# KiCad board Soldermander_panelized_panelized.kicad_pcb (continued)
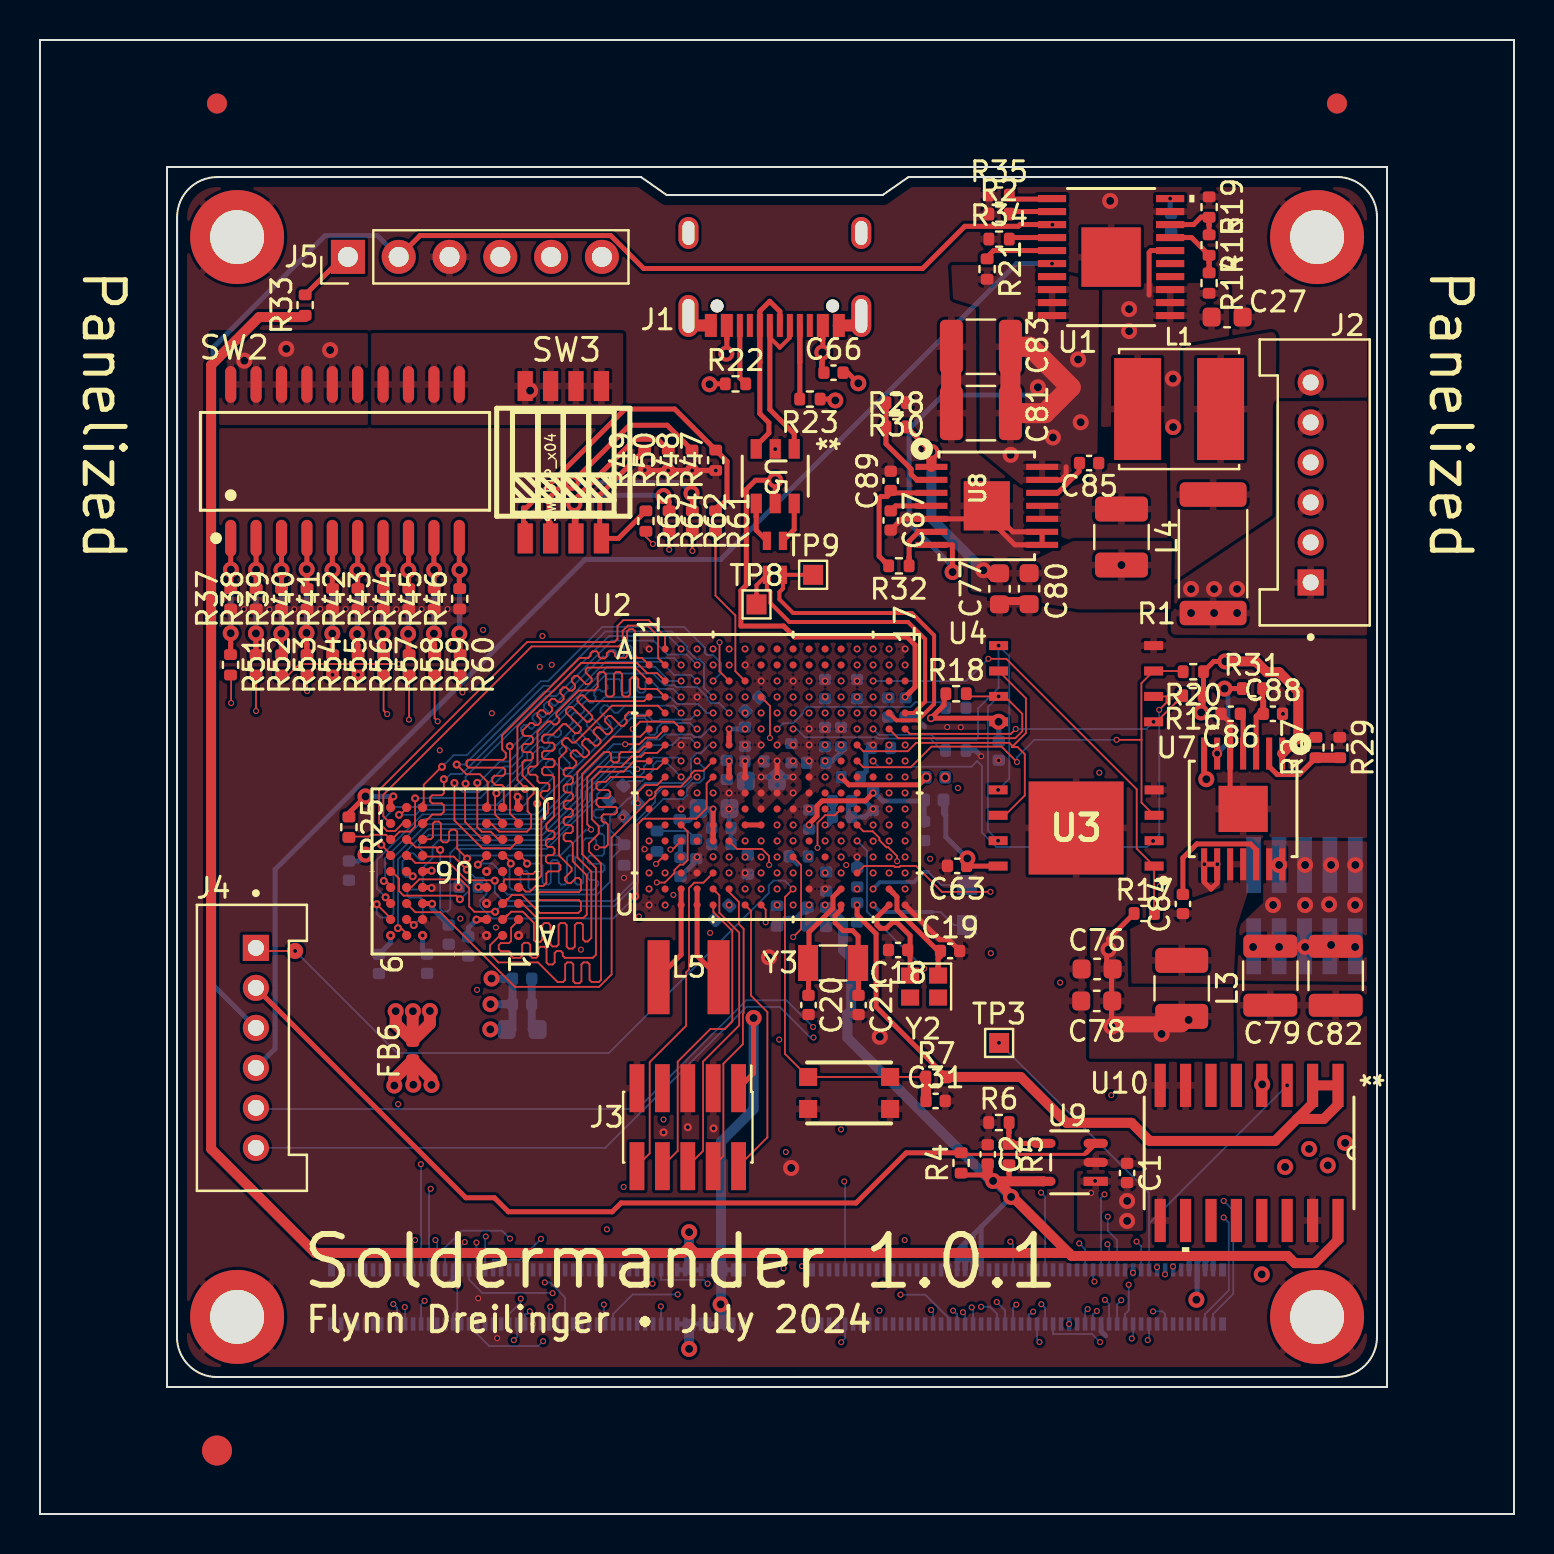
[diagram p0: board, top side]
## Routing (per net, layer and track width the routed paths; a pad name or vN(x,y) marks a point on that pad's centre or on a via; arc(x,y) is an arc through that point) (continued)
PMIC_ON_REQ: length 44.4
  Top w0.09: U2.U9 v1(36.86,30.45) ; TP3.1 47.96,23.56 v5(47.95,23.56)
  In1.Cu w0.09: v1(36.96,23.72) 36.96,25.68 36.98,25.71 ; 36.98,25.71 36.98,23.68 ; 36.98,25.71 36.98,30.33 v1(36.86,30.45)
  In2.Cu w0.09: 47.96,23.56 v5(47.95,23.56) 47.95,23.55 47.72,23.33 37.35,23.33 v1(36.96,23.72)
  Bottom w0.09: v5(47.95,23.56) 55.46,16.06 55.46,14.53 ; 55.46,14.53 v1(62.36,21.43) ; 55.46,14.53 J6.18 ; R8.1 36.86,30.42 v1(36.86,30.45)
PMIC_STBY_REQ: length 39.8
  Top w0.09: U2.T9 v1(36.86,31.25)
  In1.Cu w0.09: v1(56.25,11.98) 56.25,12.83 55.55,13.54 55.55,26.89 56.04,27.38 56.04,31.34 v1(55.99,31.39)
  In2.Cu w0.09: v1(36.86,31.25) 37.26,30.85 38.43,30.85 38.66,31.08 38.68,31.08 39.14,31.54 55.84,31.54 v1(55.99,31.39)
  Bottom w0.09: J6.14 56.25,12.2 v1(56.25,11.98)
POR_B: length 51.2
  Top w0.09: 44.3,20.96 44.3,20.95 C31.1 ; 44.21,21.86 SW1.A SW1.A' 37.25,23.02 37.25,30.85 U2.T10 v1(37.65,31.25) ; v5(12.76,28.16) 10.95,28.16
  Top w0.25: 44.18,20.66 44.18,21.26 44.29,21.26 44.3,21.26 ; 10.95,28.16 J4.1
  Top w0.5: 44.3,20.66 R7.1 44.21,21.86
  Bottom w0.09: 37.65,31.26 v1(37.65,31.25) ; 37.64,31.27 37.24,31.67 36.68,31.67 36.44,31.44 36.44,31.05 28.44,23.06 17.86,23.06 v5(12.76,28.16)
  Bottom w0.25: 37.64,31.27 U2.T10
SEMC_A0: length 19.4
  Top w0.09: 19.37,34.73 19.62,34.98 20.05,34.98 20.19,35.12 20.19,35.43 20.09,35.53 19.61,35.53 19.51,35.64 19.51,35.84 19.61,35.94 20.09,35.94 20.19,36.04 v2(20.19,36.75) ; 19.37,34.73 19.33,34.73 U6.H7 ; 19.37,34.73 19.19,34.54 ; v1(32.06,43.26) U2.A3
  Bottom w0.09: v2(20.19,36.75) 20.28,36.75 20.54,37.01 21.09,37.01 25.22,41.14 25.68,41.14 28.45,43.9 31.42,43.9 v1(32.06,43.26)
SEMC_A1: length 22.8
  Top w0.09: 31.26,43.57 U2.A2 ; 31.26,43.57 31.26,43.26 ; 31.26,43.57 31.26,43.88 30.44,44.7 29.16,44.7 28.87,44.41 28.87,43.76 28.72,43.61 24.36,43.61 16.96,36.2 16.96,34.56 17.36,34.16 17.76,34.16 18.13,34.52 18.32,34.52 U6.H8
SEMC_A2: length 20.7
  Top w0.09: U2.C2 31.06,41.85 31.06,41.85 ; 31.06,41.85 30.86,42.05 30.36,42.05 29.85,42.56 27.05,42.56 23.87,39.38 23.87,36.7 24.25,36.32 v2(24.25,36.26) ; 31.06,41.85 31.26,41.66 ; U6.J8 18.37,35.33 18.39,35.34 18.01,34.96 v2(17.95,34.96)
  Bottom w0.09: v2(24.25,36.26) 24.37,36.14 24.37,35.61 23.98,35.22 19.03,35.22 18.78,34.96 v2(17.95,34.96)
SEMC_A3: length 21.5
  Top w0.09: 19.19,35.61 19.13,35.55 U6.J7 ; 19.19,35.61 19.19,36.47 20.08,37.36 v2(20.1,37.36) ; 19.19,35.61 19.19,35.34 ; v1(33.66,41.66) U2.C5 v1(33.66,41.66)
  Bottom w0.09: v1(33.66,41.66) 34.05,42.05 34.05,42.56 33.66,42.96 33.36,42.96 33.26,43.06 33.26,43.31 32.2,44.36 28.11,44.36 25.4,41.64 25.04,41.64 21.34,37.95 20.68,37.95 v2(20.1,37.36)
SEMC_A4: length 21.2
  Top w0.09: v2(20.84,37.48) 21.32,37 21.99,37 22.38,36.6 22.38,36.52 22.39,36.52 22.39,35.57 ; 22.39,35.57 22.33,35.52 U6.J3 ; 22.39,35.57 22.39,35.34 ; v1(33.66,40.86) U2.D5 v1(33.66,40.86)
  Bottom w0.09: v2(20.84,37.48) 21.23,37.48 25.17,41.41 25.55,41.41 28.27,44.13 31.59,44.13 32.34,43.38 32.34,43.23 32.83,42.74 32.97,42.74 33.2,42.52 33.2,41.31 v1(33.66,40.86)
SEMC_A5: length 21.2
  Top w0.09: 23.28,35.41 23.19,35.5 23.19,36.36 23.1,36.45 22.77,36.45 22.61,36.61 22.61,36.82 22.71,36.92 23.16,36.92 23.26,37.02 23.26,37.22 23.16,37.33 21.43,37.33 21.33,37.43 21.33,37.63 21.41,37.71 23.17,37.71 23.29,37.83 23.29,38.05 23.11,38.23 23.11,38.94 26.98,42.81 27.43,42.81 27.53,42.91 27.53,43.04 27.63,43.14 27.83,43.14 27.93,43.04 27.93,42.89 28.03,42.79 28.24,42.79 28.34,42.89 28.34,43.04 28.44,43.14 28.64,43.14 28.75,43.04 28.75,42.91 28.85,42.81 29.26,42.81 29.36,42.91 29.36,44.14 29.47,44.25 29.65,44.25 29.76,44.13 29.76,42.91 29.87,42.81 30.1,42.81 30.46,42.46 30.45,42.46 U2.B1 ; 23.28,35.41 23.2,35.33 ; 23.28,35.41 23.21,35.41 U6.J2
SEMC_A6: length 21
  Top w0.09: U6.H3 22.34,34.52 22.41,34.52 ; 30.45,41.66 30.43,41.66 29.75,42.33 27.39,42.33 27.29,42.23 27.29,42.08 27.58,41.79 27.58,41.64 27.44,41.5 27.3,41.5 26.88,41.92 26.73,41.92 26.59,41.77 26.59,41.63 26.76,41.46 26.76,41.32 26.61,41.18 26.47,41.18 26.3,41.34 26.16,41.34 26.02,41.2 26.02,41.05 26.18,40.89 26.18,40.75 26.04,40.6 25.89,40.6 25.73,40.77 25.59,40.77 25.44,40.62 25.44,40.48 25.61,40.31 25.61,40.17 25.46,40.03 25.32,40.03 25.15,40.19 25.01,40.19 24.87,40.05 24.87,39.9 25.03,39.74 25.03,39.6 24.89,39.45 24.74,39.45 24.65,39.55 24.5,39.55 24.13,39.17 24.13,39.01 24.23,38.91 24.54,38.91 24.65,38.81 24.65,38.61 24.54,38.51 24.2,38.51 24.1,38.4 24.1,38.2 24.2,38.1 24.54,38.1 24.65,38 24.65,37.79 24.54,37.69 24.23,37.69 24.13,37.59 24.13,36.93 24.68,36.37 24.68,36.03 24.38,35.73 24.38,35.14 24.56,34.96 24.56,34.33 24.35,34.12 22.96,34.12 22.59,34.49 22.44,34.49 22.41,34.52 ; 30.45,41.66 U2.C1 ; 30.45,41.66 30.46,41.66 ; 22.39,34.54 22.41,34.52
SEMC_A7: length 18.5
  Top w0.09: v2(22.82,36.05) 22.76,35.98 22.76,34.97 23.13,34.6 ; 23.13,34.6 U6.H2 ; 23.13,34.6 23.19,34.54 ; v1(32.06,40.86) U2.D3
  Bottom w0.09: v2(22.82,36.05) 22.87,36.1 23.07,36.1 24.59,37.61 24.59,37.95 24.66,38.02 24.98,38.35 25.12,38.35 25.19,38.28 25.34,38.28 25.48,38.42 25.48,38.57 25.41,38.64 25.41,38.78 25.56,38.92 25.7,38.92 25.77,38.85 25.91,38.85 26.06,39 26.06,39.14 25.99,39.21 25.99,39.35 26.13,39.5 26.27,39.5 26.34,39.43 26.49,39.43 26.63,39.57 26.63,39.71 26.56,39.79 26.56,39.93 26.7,40.07 26.85,40.07 26.92,40 27.06,40 27.21,40.15 27.21,40.29 27.14,40.36 27.14,40.5 27.28,40.65 27.42,40.65 27.49,40.58 27.64,40.58 27.78,40.72 27.78,40.86 27.71,40.93 27.71,41.08 27.85,41.22 28,41.22 28.09,41.13 28.23,41.13 28.37,41.28 28.37,41.42 28.29,41.51 28.29,41.65 28.38,41.74 28.95,41.74 29.05,41.64 29.05,41.17 29.15,41.07 29.36,41.07 29.46,41.17 29.46,41.7 29.56,41.8 29.76,41.8 29.87,41.7 29.87,41.17 29.97,41.07 30.17,41.07 30.27,41.17 30.27,41.6 30.37,41.7 30.52,41.7 30.96,41.26 31.65,41.26 v1(32.06,40.86)
SEMC_A8: length 18
  Top w0.09: 23.93,34.6 23.5,35.03 23.5,38.38 v2(23.49,38.39) ; 23.93,34.6 23.99,34.54 ; 23.93,34.6 U6.H1 ; v1(32.06,42.46) U2.B3
  Bottom w0.09: v2(23.49,38.39) 23.64,38.39 24.17,38.91 24.17,39.06 24.05,39.17 24.05,39.31 24.2,39.46 24.34,39.46 24.52,39.27 24.61,39.27 24.81,39.47 24.81,39.56 24.63,39.75 24.63,39.89 24.77,40.03 24.91,40.03 25.1,39.85 25.19,39.85 25.39,40.05 25.39,40.14 25.2,40.32 25.2,40.46 25.35,40.61 25.49,40.61 25.67,40.42 25.76,40.42 25.96,40.62 25.96,40.71 28.12,42.87 28.34,42.87 28.44,42.97 28.44,43.11 28.53,43.21 28.72,43.21 28.82,43.11 28.82,42.94 28.91,42.85 29.1,42.85 29.2,42.94 29.2,43.34 29.29,43.43 29.48,43.43 29.58,43.34 29.58,42.97 29.75,42.8 31.71,42.8 v1(32.06,42.46)
SEMC_A9: length 18.7
  Top w0.09: U6.G3 22.33,33.74 22.36,33.77 22.33,33.8 22.07,33.8 21.25,34.61 21.25,36.49 v2(21.28,36.52) ; v1(32.86,42.46) U2.B4
  Bottom w0.09: v1(32.86,42.46) 32.33,42.98 31.37,42.98 30.68,43.68 28.58,43.68 25.81,40.91 25.32,40.91 21.28,36.87 v2(21.28,36.52)
SEMC_A10: length 21.2
  Top w0.09: 31.08,42.63 31.08,42.63 U2.B2 ; 31.08,42.63 31.26,42.46 ; 31.08,42.63 30.9,42.81 30.9,43.91 30.38,44.43 29.39,44.43 29.14,44.17 29.14,43.59 28.94,43.39 24.59,43.39 17.17,35.97 17.17,34.9 U6.H9
SEMC_A11: length 17.8
  Top w0.09: v2(21.86,36.56) 21.86,34.35 22.09,34.12 22.54,34.12 22.88,33.78 23.08,33.78 ; 23.08,33.78 U6.G2 ; 23.08,33.78 23.15,33.78 ; v1(32.86,41.66) U2.C4
  Bottom w0.09: v1(32.86,41.66) 32.56,41.96 31.71,41.96 31.05,42.62 28.28,42.62 23.87,38.21 23.87,38.04 23.46,37.63 22.99,37.63 21.92,36.56 v2(21.86,36.56)
SEMC_A12: length 20.5
  Top w0.09: U6.G1 23.93,33.69 23.5,33.26 23.46,33.29 22.11,33.29 20.72,34.68 v2(20.72,36.56) ; v1(32.06,41.66) U2.C3
  Bottom w0.09: v1(32.06,41.66) 31.47,41.66 30.76,42.37 28.35,42.37 24.13,38.14 24.13,37.91 23.59,37.38 23.23,37.38 21.96,36.11 21.14,36.11 20.72,36.52 v2(20.72,36.56)
SEMC_BA0: length 19.6
  Top w0.09: v1(27.55,34.23) 27.55,34.3 27.36,34.49 27.36,36.84 27.88,37.36 29.06,37.36 29.57,37.87 30.06,37.87 30.25,38.06 30.86,38.06 U2.G2 ; v2(21.36,32.78) 20.86,33.27 20.86,34.12 20.76,34.22 20.56,34.22 20.45,34.12 20.45,33.69 20.35,33.59 20.15,33.59 20.05,33.69 20.05,34.53 19.95,34.63 19.74,34.63 19.64,34.53 19.64,33.85 19.54,33.74 19.14,33.74 U6.G7
  Bottom w0.09: v1(27.55,34.23) 27.52,34.2 27.28,34.2 26.02,32.93 21.51,32.93 v2(21.36,32.78)
SEMC_BA1: length 21.5
  Top w0.09: 18.59,33.54 18.52,33.54 U6.G8 ; 18.59,33.54 18.79,33.34 19.81,33.34 19.93,33.21 v2(20.01,33.21) ; 18.59,33.54 18.39,33.74 ; v1(29.87,37.25) 30.85,37.25 U2.H2
  Bottom w0.09: v2(20.01,33.21) 20.01,30.27 20.01,30.26 20.14,30.13 20.37,30.13 20.52,30.27 20.52,33.06 20.9,33.44 25.26,33.44 27.5,35.68 27.5,36.03 28.83,37.36 29.76,37.36 v1(29.87,37.25)
SEMC_CAS: length 23
  Top w0.09: U6.F7 19.19,32.88 20.69,32.88 v2(21.34,32.22) ; U2.J5 33.65,36.86 U2.J5 ; U2.J5 33.49,36.69 ; U2.J5 33.49,36.69 ; 33.49,36.69 33.33,36.53 33.33,35.29 32.81,34.77 30.16,34.77 29.88,34.49 29.88,31 v2(29.76,30.88)
  Bottom w0.09: v2(21.34,32.22) 21.75,31.81 22.16,31.81 22.32,31.65 22.32,31 21.99,30.67 21.99,30.4 22.61,29.78 28.67,29.78 29.76,30.87 v2(29.76,30.88)
SEMC_CKE: length 22.5
  Top w0.09: v2(21.9,32.47) 21.92,32.47 22.33,32.89 U6.F3
  Bottom w0.09: 28.49,33.47 28.49,34.21 ; 28.49,33.47 28.49,32.71 ; 28.49,33.47 R24.1 ; 28.49,34.21 28.85,33.85 ; 28.49,34.21 28.49,34.86 29.41,35.78 29.48,35.78 30.26,36.56 32.16,36.56 32.56,36.95 32.56,37.76 32.85,38.06 33.06,38.06 33.46,38.46 v1(33.66,38.46) ; R24.1 29.21,33.42 28.49,32.71 ; R24.1 29.21,33.49 28.85,33.85 ; 29.21,33.56 28.91,33.85 28.85,33.85 ; v2(21.9,32.47) 21.89,32.47 21.89,32.34 22.08,32.53 22.62,32.53 22.86,32.29 22.86,32.29 23.18,31.97 23.18,31.17 23.38,30.98 27.86,30.98 28.49,31.61 28.49,32.71
SEMC_CLK: length 3.9
  Bottom w0.09: v1(32.06,36.86) 31.27,37.64 30.84,37.64 30.66,37.46 30.66,37.21 30.11,36.66 29.42,36.66 29.27,36.51 29.25,36.51 R26.1
SEMC_CS0: length 24.6
  Top w0.09: 17.59,33.73 17.61,33.76 ; 17.61,33.76 17.62,33.76 17.98,34.13 18.5,34.13 18.76,34.38 v2(18.76,35.79) ; 17.61,33.76 17.56,33.76 U6.G9 17.3,33.97 16.54,33.97 16.45,33.88 15.48,33.88 ; 15.48,33.88 15.45,33.85 R25.2 ; 15.48,33.88 15.44,33.88
  Bottom w0.09: v1(34.46,40.06) 33.96,40.56 33.55,40.56 33.37,40.74 33.37,40.84 32.86,41.36 31.81,41.36 31.72,41.44 31.23,41.44 30.65,42.03 28.34,42.03 24.36,38.05 24.36,37.74 23.64,37.02 23.24,37.02 22.02,35.81 19.65,35.81 19.64,35.8 18.77,35.8 v2(18.76,35.79)
SEMC_D0: length 22.2
  Top w0.09: 31.96,39.35 31.97,39.35 U2.F3 31.96,39.35 ; 31.96,39.35 31.69,39.62 30,39.62 v1(29.64,39.26) ; 18.39,28.96 18.39,28.94 ; 18.39,28.96 18.36,28.96 U6.A8 ; 18.39,28.96 18.39,28.97 18.06,29.3 v2(17.9,29.3)
  Bottom w0.09: v2(17.9,29.3) 17.9,29.55 17.9,29.56 17.9,32.73 19.43,34.26 25.11,34.26 26.82,35.97 26.82,36.31 28.61,38.1 29.4,38.1 29.64,38.34 v1(29.64,39.26)
SEMC_D1: length 21.9
  Top w0.09: U2.F2 30.82,38.82 30.3,38.82 30.11,38.63 30.1,38.63 29.96,38.49 v1(29.26,38.49) ; v2(16.84,30.49) 17.53,29.8 ; 17.53,29.8 17.59,29.74 ; 17.53,29.8 U6.B9
  Bottom w0.09: v1(29.26,38.49) 28.68,38.49 26.59,36.41 26.59,36.06 25.02,34.49 19.33,34.49 17.67,32.83 17.67,30.01 17.5,29.83 17.01,29.83 16.84,30.01 v2(16.84,30.49)
SEMC_D2: length 21.9
  Top w0.09: 32.85,38.46 U2.G4 32.85,38.46 ; 32.85,38.46 v1(32.85,38.46) ; U6.B8 18.34,29.74 18.39,29.74 18.68,29.45 v2(18.69,29.45)
  Bottom w0.09: v1(32.85,38.46) 32.51,38.8 31.95,38.8 31.6,38.45 30.5,38.45 29.6,37.54 28.7,37.54 27.27,36.12 27.27,35.78 25.19,33.69 19.94,33.69 19.63,33.39 19.63,32.8 19.13,32.31 19.13,31.33 19.03,31.23 18.47,31.23 18.37,31.13 18.37,30.92 18.47,30.82 19.03,30.82 19.13,30.72 19.13,29.9 v2(18.69,29.45)
SEMC_D3: length 22.1
  Top w0.09: 17.53,30.57 17.28,30.82 v2(17.28,30.84) ; 17.53,30.57 17.55,30.54 ; 17.53,30.57 U6.C9
  Bottom w0.09: v2(17.28,30.84) 16.86,31.26 16.86,32.72 19.13,34.99 24.87,34.99 25.24,35.36 25.24,35.81 29.42,39.98 30.32,39.98 30.65,39.66 30.95,39.66 31.03,39.74 32.54,39.74 v1(32.86,40.06)
SEMC_D4: length 25.9
  Top w0.09: U6.C8 18.77,30.09 20.01,30.09 23.75,26.36 27.96,26.36 28.58,26.98 28.58,33.83 30.5,35.74 30.59,35.74 30.77,35.93 30.77,36.11 31.02,36.37 32.04,36.37 32.54,36.88 32.54,36.99 32.73,37.17 33.17,37.17 U2.H5
SEMC_D5: length 21.7
  Top w0.09: v2(17.19,31.66) 17.3,31.66 17.59,31.37 17.59,31.36 ; 17.59,31.36 17.56,31.36 U6.D9 ; 17.59,31.36 17.59,31.34
  Bottom w0.09: v1(32.86,39.26) 32.79,39.26 32.49,39.56 31.11,39.56 30.85,39.3 30.85,39.08 30.73,38.96 30.49,38.96 30.37,39.08 30.37,39.68 30.25,39.8 29.56,39.8 26.36,36.6 26.36,36.16 24.96,34.76 19.22,34.76 17.25,32.79 17.25,31.72 v2(17.19,31.66)
SEMC_D6: length 21.9
  Top w0.09: v2(22.76,30.12) 21.72,30.12 21.46,30.38 21.46,31.29 21.01,31.74 18.96,31.74 18.57,31.35 18.39,31.35 18.39,31.35 ; 18.39,31.34 18.39,31.35 ; 18.39,31.35 18.35,31.35 U6.D8
  Bottom w0.09: v1(32.86,37.66) 33.21,37.31 33.21,36.8 32.97,36.57 32.68,36.57 32.34,36.23 32.34,35.94 32.16,35.76 31.17,35.76 29.89,34.48 29.89,31.57 28.71,30.39 23.03,30.39 v2(22.76,30.12)
SEMC_D7: length 20.9
  Top w0.09: 17.64,32.09 17.57,32.09 U6.E9 ; 17.64,32.09 17.96,31.77 17.96,31.15 18.18,30.92 20.82,30.92 v2(21,30.75) ; 17.64,32.09 17.59,32.14 ; v1(32.05,37.66) U2.H3
  Bottom w0.09: v2(21,30.75) 21.02,30.75 21.44,31.16 21.44,31.57 20.97,32.04 20.97,33.26 25.33,33.26 27.86,35.78 27.86,35.98 29.03,37.16 29.49,37.16 29.73,36.91 30,36.91 30.2,37.11 30.2,37.39 30.64,37.82 31.89,37.82 v1(32.05,37.66)
SEMC_D8: length 21.8
  Top w0.09: U6.E1 23.94,32.14 24.05,32.14 24.18,32.01 24.65,32.01 24.84,32.19 24.84,35.5 v2(24.86,35.52)
  Bottom w0.09: v2(24.86,35.52) 24.92,35.58 24.92,36.09 25.66,36.83 25.66,37 25.29,37.36 25.29,37.54 25.46,37.71 25.63,37.71 26.14,37.2 26.31,37.2 26.48,37.37 26.48,37.54 25.98,38.05 25.98,38.22 26.15,38.39 26.32,38.39 26.82,37.88 26.99,37.88 27.16,38.05 27.16,38.22 26.66,38.73 26.66,38.9 26.83,39.07 27,39.07 27.51,38.56 27.68,38.56 27.85,38.74 27.85,38.91 27.34,39.41 27.34,39.58 27.51,39.75 27.68,39.75 28.19,39.25 28.36,39.25 28.53,39.42 28.53,39.59 28.02,40.09 28.02,40.27 28.19,40.44 28.36,40.44 28.73,40.07 28.9,40.07 29.25,40.42 31.69,40.42 v1(32.06,40.06)
SEMC_D9: length 25
  Top w0.09: U6.D2 23.15,31.35 23.19,31.35 ; 23.19,31.35 23.19,31.35 23.19,31.68 23.25,31.74 24.89,31.74 25.06,31.92 25.06,34.73 25.4,35.06 25.4,35.55 25.03,35.91 25.03,36.06 25.13,36.16 25.37,36.16 25.47,36.26 25.47,36.46 25.37,36.56 24.98,36.56 24.87,36.66 24.87,36.87 24.77,36.97 24.51,36.97 24.41,37.07 24.41,37.27 24.51,37.38 24.77,37.38 24.87,37.48 24.87,39.12 25.39,39.63 25.53,39.63 25.68,39.48 25.82,39.48 25.96,39.63 25.96,39.77 25.82,39.92 25.82,40.06 26.94,41.19 27.71,41.19 27.88,41.36 27.88,42 27.99,42.1 28.19,42.1 28.29,42 28.29,40.98 28.39,40.88 28.59,40.88 28.7,40.98 28.7,42 28.8,42.1 29,42.1 29.1,42 29.1,40.98 29.2,40.88 29.41,40.88 29.51,40.98 29.51,41.74 29.61,41.84 29.81,41.84 29.92,41.74 29.92,41.36 30.02,41.26 30.85,41.26 31.05,41.06 ; 23.19,31.35 23.19,31.34 ; U2.D2 31.05,41.06 31.05,41.06 ; 31.05,41.06 31.26,40.86
SEMC_D10: length 24.7
  Top w0.09: 30.45,40.86 U2.D1 ; 30.45,40.86 30.46,40.86 ; 30.45,40.86 30.4,40.86 30.2,40.65 27.45,40.65 27.16,40.94 27.02,40.94 26.87,40.79 26.87,40.65 27.61,39.91 27.61,39.76 27.47,39.62 27.33,39.62 26.59,40.36 26.44,40.36 26.3,40.22 26.3,40.07 27.04,39.33 27.04,39.19 26.89,39.05 26.75,39.05 26.3,39.5 26.16,39.5 25.83,39.17 25.81,39.15 25.64,38.98 25.2,38.98 25.1,38.87 25.1,38.67 25.2,38.57 25.62,38.57 25.73,38.47 25.73,38.27 25.62,38.16 25.2,38.16 25.1,38.06 25.1,37.86 25.2,37.76 25.62,37.76 25.73,37.66 25.73,37.45 25.62,37.35 25.2,37.35 25.1,37.25 25.1,37.05 25.2,36.94 25.6,36.94 25.7,36.84 25.7,34.89 25.32,34.51 25.32,34.27 25.42,34.17 25.62,34.17 25.73,34.07 25.73,33.86 25.62,33.76 25.4,33.76 25.29,33.66 25.29,33.46 25.4,33.35 25.62,33.35 25.73,33.25 25.73,33.05 25.62,32.95 25.4,32.95 25.29,32.85 25.29,32.64 25.4,32.54 25.92,32.54 26.02,32.44 26.02,32.24 25.92,32.14 25.42,32.14 25.32,32.03 25.32,31.56 25.17,31.41 24.79,31.41 24.51,31.13 24.28,31.13 24.16,31.25 24.16,31.25 24.06,31.34 23.94,31.34 U6.D1
SEMC_D11: length 25.3
  Top w0.09: 31.16,40.15 31.17,40.15 U2.E2 31.16,40.15 ; 31.16,40.15 30.89,40.42 28.59,40.42 26.75,38.58 26.61,38.58 26.39,38.8 26.25,38.8 26.1,38.65 26.1,38.51 26.32,38.29 26.32,38.15 25.95,37.78 25.95,32.93 26.58,32.3 26.58,32.16 26.26,31.83 26.26,31.69 26.4,31.55 26.54,31.55 26.8,31.8 26.94,31.8 27.05,31.7 27.05,31.2 26.94,31.1 24.99,31.1 24.89,31 24.89,30.8 24.99,30.7 26.94,30.7 27.05,30.59 27.05,30.19 26.92,30.06 24.99,30.06 24.1,30.95 23.59,30.95 23.39,30.75 ; U6.C2 23.35,30.75 23.39,30.75 ; 23.39,30.75 23.19,30.54
SEMC_D12: length 24.8
  Top w0.09: 30.45,40.06 30.41,40.06 30.27,39.92 29.81,39.92 29.64,40.09 29.43,40.09 29.26,39.92 29.26,39.77 29.33,39.7 29.33,39.56 29.19,39.41 29.04,39.41 28.55,39.91 28.4,39.91 28.26,39.77 28.26,39.62 28.6,39.29 28.6,39.14 28.45,39 28.31,39 27.97,39.33 27.83,39.33 27.69,39.19 27.69,39.05 28.02,38.71 28.02,38.57 27.88,38.42 27.74,38.42 27.4,38.76 27.25,38.76 27.11,38.62 27.11,38.47 27.45,38.14 27.45,37.99 27.3,37.85 27.16,37.85 26.82,38.19 26.68,38.19 26.54,38.04 26.54,37.9 26.82,37.62 26.82,37.48 26.64,37.3 26.28,37.3 26.18,37.2 26.18,37 26.28,36.89 26.54,36.89 26.64,36.79 26.64,36.59 26.54,36.49 26.28,36.49 26.18,36.39 26.18,36.18 26.28,36.08 26.54,36.08 26.64,35.98 26.64,35.78 26.54,35.67 26.28,35.67 26.18,35.57 26.18,35.37 26.28,35.27 26.54,35.27 26.64,35.17 26.64,34.96 26.54,34.86 26.28,34.86 26.18,34.76 26.18,34.56 26.28,34.46 26.54,34.46 26.64,34.35 26.64,34.15 26.54,34.05 26.28,34.05 26.18,33.95 26.18,33.74 26.28,33.64 26.54,33.64 26.64,33.54 26.64,32.64 27.34,31.94 27.34,29.97 27.17,29.81 24.84,29.81 24.15,30.49 24.04,30.49 24.01,30.52 ; 30.45,40.06 U2.E1 30.45,40.06 ; U6.C1 23.94,30.52 24.01,30.52 ; 23.99,30.54 24.01,30.52
SEMC_D13: length 25.2
  Top w0.09: U6.B2 23.33,29.93 23.37,29.93 ; 23.37,29.93 23.56,30.12 24.14,30.12 24.7,29.56 24.7,28.7 24.79,28.61 25.01,28.61 25.12,28.71 25.12,29.45 25.22,29.55 25.42,29.55 25.52,29.45 25.52,28.48 25.62,28.38 25.83,28.38 25.93,28.48 25.93,29.45 26.03,29.55 26.23,29.55 26.33,29.45 26.33,28.38 26.44,28.27 26.64,28.27 26.74,28.38 26.74,29.45 26.84,29.55 27.05,29.55 27.15,29.45 27.15,28.73 27.25,28.63 27.39,28.63 27.57,28.8 27.57,32.13 26.87,32.83 26.87,37.09 28.65,38.87 30.01,38.87 30.4,39.26 30.45,39.26 ; 23.37,29.93 23.19,29.74 ; 30.45,39.26 U2.F1 30.45,39.26
SEMC_D14: length 24.6
  Top w0.09: U6.B1 23.93,29.69 23.55,29.31 23.55,28.65 23.45,28.55 23.04,28.55 22.94,28.45 22.94,28.24 23.04,28.14 23.45,28.14 23.55,28.04 23.55,27.91 23.66,27.81 24.01,27.81 24.11,27.91 24.11,28.46 24.21,28.56 24.41,28.56 24.51,28.46 24.51,27.91 24.62,27.81 24.82,27.81 24.92,27.91 24.92,28.27 25.02,28.37 25.22,28.37 25.33,28.27 25.33,27.58 25.43,27.48 25.63,27.48 25.73,27.58 25.73,28.05 25.83,28.15 26.04,28.15 26.14,28.05 26.14,27.91 26.24,27.81 27.64,27.81 27.8,27.97 27.8,32.31 27.11,32.99 27.11,37.01 28.2,38.1 28.46,38.1 28.56,38 28.56,37.69 28.66,37.59 28.86,37.59 28.96,37.69 28.96,38 29.07,38.1 29.93,38.1 30.21,38.38 30.38,38.38 U2.G1
SEMC_D15: length 24.9
  Top w0.09: 23.1,28.9 U6.A2 ; 23.1,28.9 23.14,28.9 ; 23.1,28.9 22.96,28.9 22.5,28.44 22.5,28 22.92,27.58 24.9,27.58 25.88,26.61 26.16,26.61 26.26,26.71 26.26,27.48 26.36,27.58 26.56,27.58 26.67,27.48 26.67,26.64 26.77,26.54 26.97,26.54 27.07,26.64 27.07,27.48 27.17,27.58 27.38,27.58 27.48,27.48 27.48,26.71 27.58,26.61 27.95,26.61 28.05,26.71 28.05,32.54 27.45,33.13 27.45,33.54 27.94,34.02 27.94,34.4 27.59,34.75 27.59,36.72 28,37.12 29.18,37.12 29.7,37.64 30.44,37.64 U2.H1
SEMC_DM0: length 21.3
  Top w0.09: U6.E8 18.57,31.89 v2(18.64,31.89)
  Bottom w0.09: v1(33.66,39.26) 33.46,39.26 33.06,38.86 32.71,38.86 32.58,38.98 31.23,38.98 30.98,38.73 30.43,38.73 29.52,37.83 28.66,37.83 27.05,36.22 27.05,35.87 25.12,33.95 19.44,33.95 18.96,33.47 18.96,33.33 19.31,32.98 19.31,32.84 19.16,32.69 19.02,32.69 18.67,33.04 18.53,33.04 18.13,32.64 18.13,32.03 18.29,31.87 18.64,31.87 v2(18.64,31.89)
SEMC_DM1: length 21.8
  Top w0.09: v1(27.83,33.34) 28.27,33.34 28.39,33.46 28.39,34.48 28.29,34.58 28.18,34.58 28.08,34.68 28.08,34.89 28.18,34.99 28.74,34.99 28.84,35.09 28.84,35.29 28.78,35.36 27.96,35.36 27.82,35.5 27.82,35.7 27.92,35.8 28.41,35.8 28.51,35.9 28.51,36.11 28.41,36.21 27.92,36.21 27.82,36.31 27.82,36.51 27.92,36.61 28.29,36.61 28.53,36.86 30.45,36.86 ; 30.45,36.86 U2.J1 30.45,36.86 ; v2(24.35,32.52) 24.35,32.58 23.99,32.94 23.94,32.94 U6.F1
  Bottom w0.09: v1(27.83,33.34) 27.81,33.36 27.81,33.69 27.71,33.79 27.3,33.79 27.16,33.66 27.16,31.58 27.06,31.48 26.86,31.48 26.75,31.58 26.75,32.84 26.65,32.94 26.45,32.94 26.35,32.84 26.35,31.58 26.25,31.48 26.04,31.48 25.94,31.58 25.94,32.6 25.84,32.7 25.64,32.7 25.53,32.6 25.53,31.58 25.43,31.48 25.23,31.48 25.13,31.58 25.13,32.42 25.03,32.52 v2(24.35,32.52)
SEMC_RAS: length 20.6
  Top w0.09: 18.39,32.94 18.58,32.75 ; 18.58,32.75 18.51,32.75 U6.F8 ; 18.58,32.75 18.77,32.56 20.46,32.56 21.33,31.69 22.72,31.69 v2(22.74,31.67)
  Bottom w0.09: v2(22.74,31.67) 22.74,31.06 23.15,30.66 28.71,30.66 29.71,31.65 29.71,34.55 30.76,35.6 30.76,35.95 31.18,36.38 32.23,36.38 32.71,36.86 v1(32.86,36.86)
SEMC_WE: length 21.5
  Top w0.09: 17.53,33 17.59,32.94 ; 17.53,33 v2(17.06,33.47) ; 17.53,33 U6.F9
  Bottom w0.09: v1(33.66,40.06) 33.35,40.06 32.9,40.51 31.86,40.51 31.52,40.84 28.23,40.84 22.83,35.45 18.94,35.45 18.85,35.36 17.79,35.36 17.06,34.63 v2(17.06,33.47)
SWD_CLK: length 14.9
  Top w0.09: 34.46,31.18 U2.T6 34.46,31.18 ; 34.46,31.18 34.46,31.1 34.94,30.61 34.94,29.5 35.18,29.26 35.18,25.06 35.14,25.03 35.14,23.49 34.17,22.52 34.17,17.9 J3.4
SWD_DIO: length 14.3
  Top w0.09: 35.4,30.31 35.4,30.31 U2.U7 35.4,30.31 ; 35.4,30.31 35.55,30.16 35.55,25.92 36.37,25.1 36.37,18.83 J3.2
SWD_RESET: length 16.5
  Top w0.09: U2.R5 33.17,31.57 32.71,31.57 32.45,31.3 32.45,27.23 32.31,27.09 32.31,24.42 30.49,22.6 30.49,18.03 J3.10
USB_CC1: length 5.5
  Top w0.25: 37.99,57.6 37.99,57.6 J1.A5 ; 37.99,57.6 37.99,59.44 ; 37.99,57.6 37.99,55.76 R23.2
USB_CC2: length 3.2
  Top w0.25: 35.21,56.59 34.99,56.81 34.99,59.44 J1.B5 ; 35.21,56.59 35.21,56.58 35.28,56.52 ; 35.21,56.59 R22.2
USDHC2_CLK: length 0
  Top w0.09: v1(40.85,39.25) U2.F14
USDHC2_CMD: length 0
  Top w0.09: v1(40.85,40.05) U2.E14
USDHC2_DATA0: length 31.5
  Top w0.09: U2.E15 v1(41.65,40.05)
  In1.Cu w0.09: v1(41.65,40.05) 42.76,38.95 42.76,37.75 43.25,37.25 43.32,37.25 43.91,36.66 43.91,34.48 47.21,31.18 47.21,18.92 v1(50.06,16.07)
  Bottom w0.09: v1(50.06,16.07) 50.26,15.87 J6.44
VSYS: length 31.8
  Top w0.25: 58.21,37.15 58.21,36.85 v3(58.32,36.75) ; 58.21,37.15 58.21,38.03 ; 58.21,37.15 58.21,37.44 ; 51.31,52.37 51.31,51.96 51.06,51.71 U8.13 50.11,51.71 ; U8.7 45.62,48.46 45.62,47.11 v3(45.63,47.1)
  Top w1: 51.54,56.34 49.51,58.37 C83.1 C81.1 50.25,55.05 51.54,56.34
  Bottom w0.25: v3(49.9,56.35) 49.51,55.96 45.16,55.96 43.46,54.26 43.46,49.56 44.56,48.46 45.63,47.38 v3(45.63,47.1)
  vias: v3(48.54,52.97) v3(50.65,53.84) v3(51.91,57.74) v3(52.04,54.6) v3(60.66,28.36) v3(61.66,30.46) v3(61.96,32.46) v3(61.96,28.36) v3(63.26,32.46) v3(63.26,30.46) v3(63.26,28.36) v3(64.46,30.49) v3(64.56,32.46) v3(64.56,28.46) v3(65.77,32.46) v3(65.76,30.46) v3(65.76,28.36)
VUSB: length 28.6
  Top w0.25: 39.12,57.62 39.08,57.58 39.08,57.33 ; 39.12,57.62 39.12,57.16 ; 39.12,57.62 v3(39.12,58.09) 39.14,58.11 39.14,58.78 ; 36.76,51.11 U5.5 36.76,51.11 ; 36.76,51.11 36.76,51.69 v3(36.76,51.7) 35.77,51.7 35.32,51.24 35.32,46.45 35.05,46.18 35.05,44.41 37.18,44.41 37.73,43.86 43.36,43.86 43.76,43.46 43.76,41.36 43.51,41.11 ; C66.1 39.2,57.21 39.08,57.33 ; 34.34,58.75 J1.A9 34.34,58.75 ; 34.34,58.75 34.34,58.05 v3(34.32,58.03) ; 43.51,41.11 v1(43.26,40.86) ; 43.51,41.11 43.5,41.11 U2.D17 ; 39.08,57.33 39.08,57.08 ; 39.14,58.78 J1.A4 39.14,58.78
  Bottom w0.25: v1(43.26,40.86) 43.28,40.83 C60.1
WAKEUP: length 38.5
  Top w0.09: U2.T8 v1(36.06,31.25)
  In1.Cu w0.09: v1(37.18,12.28) 37.17,12.28 36.67,12.78 36.67,24.57 35.91,25.33 35.91,31.11 v1(36.06,31.25)
  In2.Cu w0.09: v1(55.85,12.34) 55.84,12.35 53.96,12.35 53.72,12.11 37.35,12.11 v1(37.18,12.28)
  Bottom w0.09: v1(55.85,12.34) 55.86,12.34 J6.16
Net-(J5-Pin_1): length 2.9
  Top w0.25: R33.2 15.16,62.87 J5.1
Net-(R37-Pad2): length 7.3
  Top w0.25: 9.54,43.52 9.53,43.51 R51.1 ; 9.54,43.52 9.54,42.99 ; 9.54,43.52 v3(9.54,44.05) ; 9.54,46.27 R37.2 9.54,47.22 v3(9.55,47.23) 9.54,47.24 SW2.1
  Bottom w0.25: v3(9.55,47.23) 9.55,44.06 v3(9.54,44.05)
Net-(R38-Pad2): length 7.3
  Top w0.25: 10.8,43.51 10.8,42.98 ; 10.8,43.51 v3(10.8,44.04) ; 10.8,43.51 10.8,43.5 R52.1 ; R38.2 10.81,46.28 v3(10.81,47.22) SW2.2
  Bottom w0.25: v3(10.8,44.04) 10.81,44.05 v3(10.81,47.22)
Net-(R39-Pad2): length 7.3
  Top w0.25: R39.2 12.08,46.28 v3(12.08,47.21) SW2.3 ; v3(12.07,44.03) 12.07,43.51 ; 12.07,43.51 12.08,43.5 R53.1 ; 12.07,43.51 12.07,42.99
  Bottom w0.25: v3(12.08,47.21) 12.08,44.04 v3(12.07,44.03)
Net-(R40-Pad2): length 7.3
  Top w0.25: 13.33,43.53 13.33,43 ; 13.33,43.53 v3(13.33,44.07) ; 13.33,43.53 13.35,43.51 R54.1 ; SW2.4 13.35,47.26 v3(13.34,47.25) 13.35,47.24 13.35,46.28 R40.2
  Bottom w0.25: v3(13.33,44.07) 13.34,44.08 v3(13.34,47.25)
Net-(R41-Pad2): length 7.3
  Top w0.25: v3(14.62,44.03) 14.62,43.51 ; 14.62,43.51 14.63,43.49 R55.1 ; 14.62,43.51 14.62,42.99 ; R41.2 14.62,46.28 14.62,47.2 v3(14.63,47.21) 14.62,47.22 SW2.5
  Bottom w0.25: v3(14.63,47.21) 14.62,47.2 v3(14.62,44.03)
